# KiCad board cm4-printing-deck.kicad_pcb (continued)
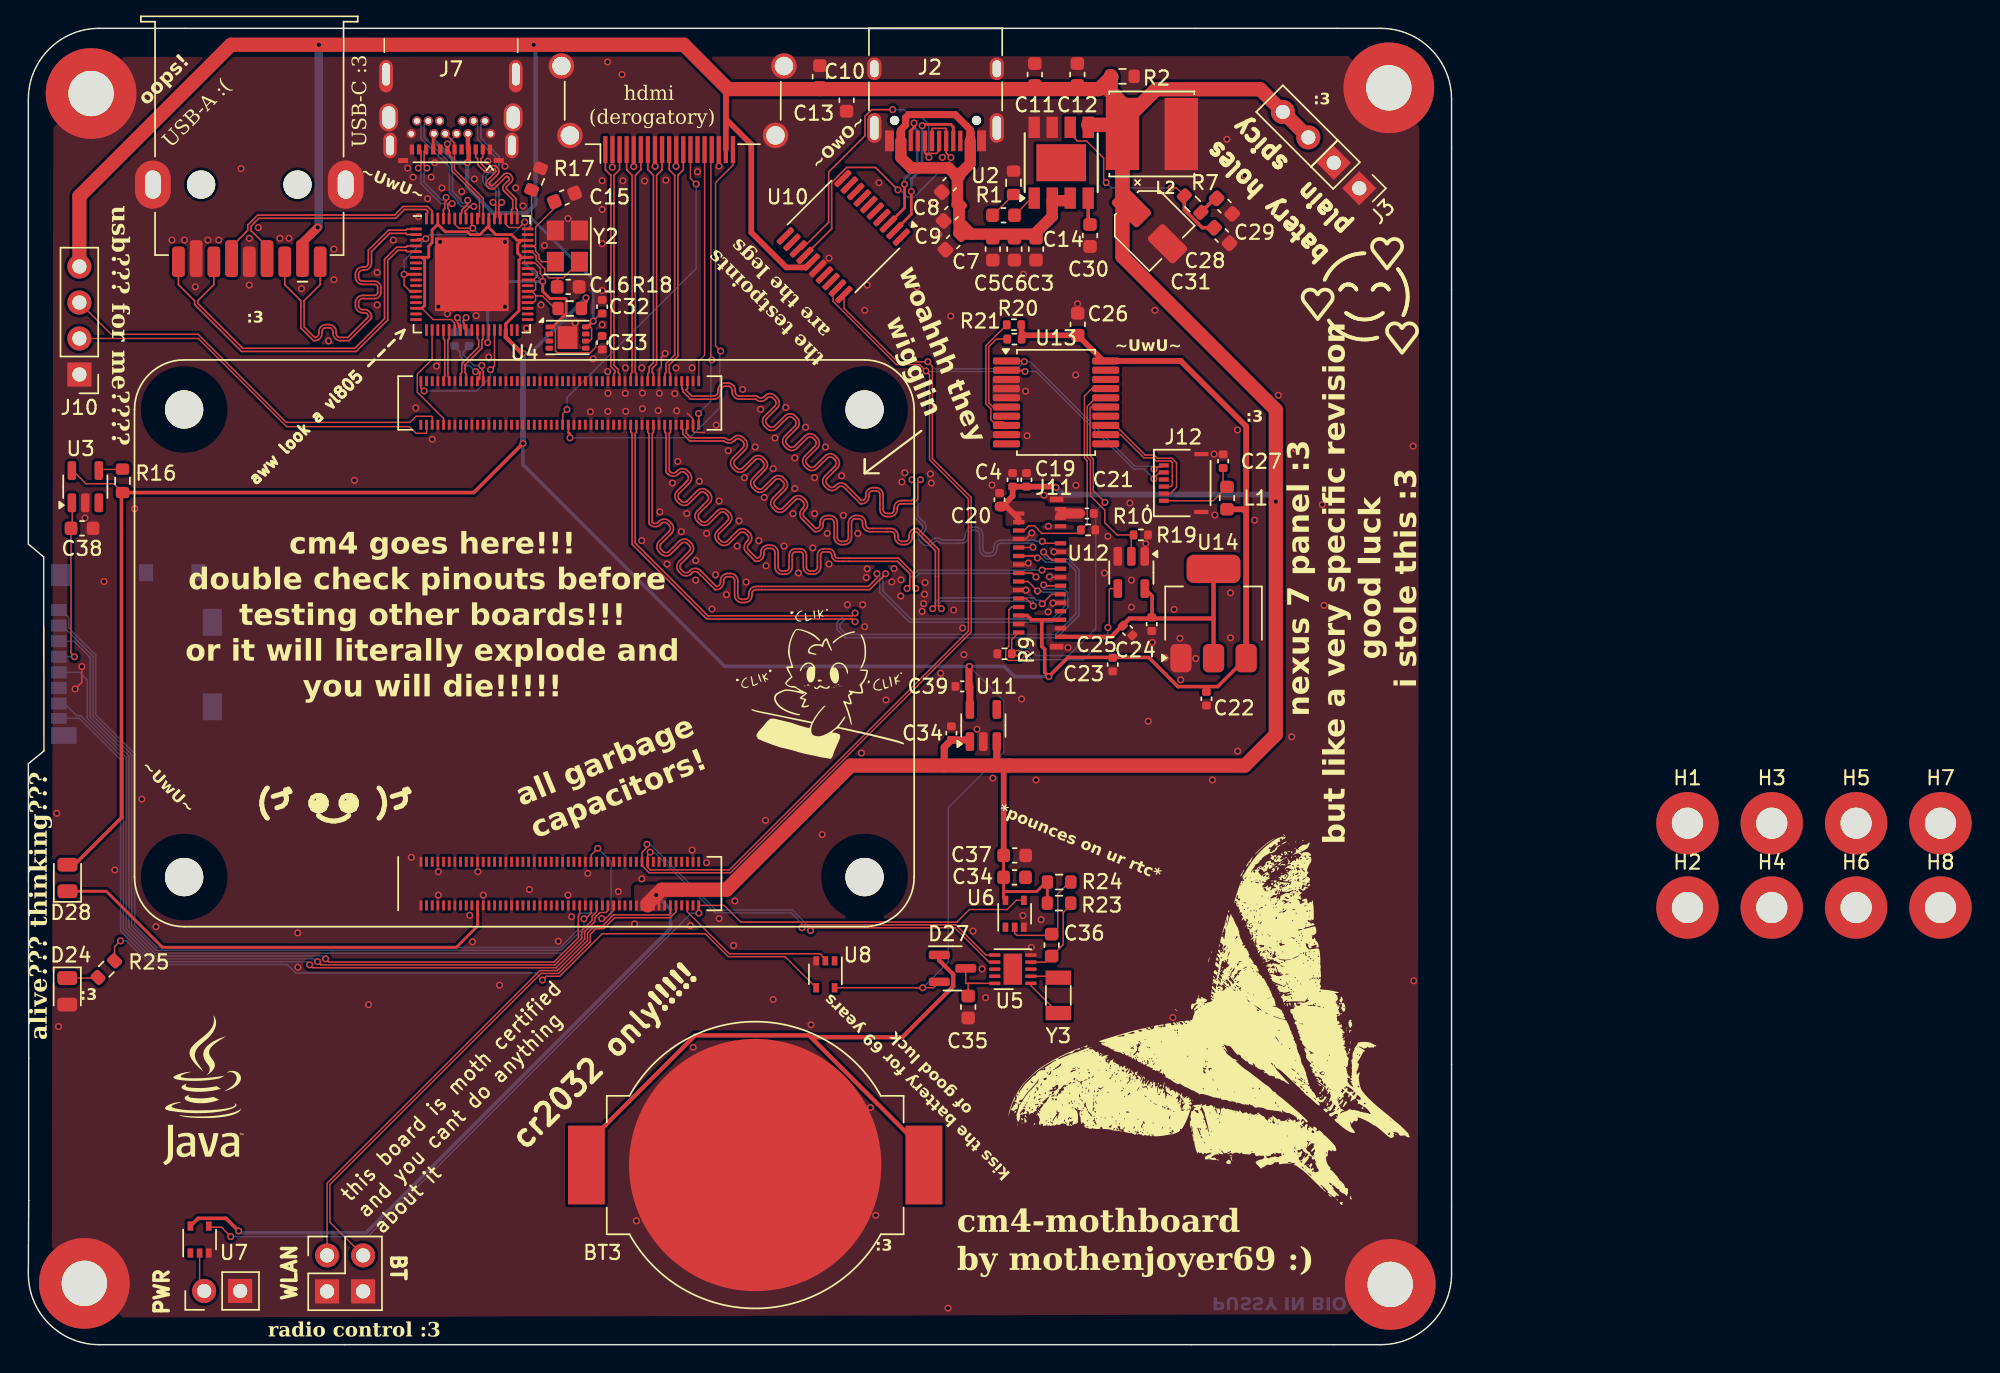
[diagram p0: board, top side]
## Nets
1.05v: C33.2 U4.1 U9.3 U9.9 U9.12 U9.29 U9.45 U9.54 U9.60 U9.63
+1V8: C24.2 C25.2 J11.31 U12.5 U14.2
+3V3: C22.2 C23.2 C26.2 C39.1 D24.2 D27.2 J11.26 J11.27 L1.2 R16.2 R18.1 R20.1 R21.1 U3.5 U8.5 U9.6 U9.15 U9.23 U9.32 U9.46 U9.49 U9.57 U9.66 U11.5 U13.20 U14.3
+5V: C4.2 C10.1 C11.1 C12.1 C13.1 C19.2 C20.2 C21.2 C31.1 C32.2 C34.1 C34#2.1 C37.2 J3.3 J3.4 J6.18 J7.A4 J7.A9 J7.B4 J7.B9 J8.1 J10.4 J11.1 J11.2 J11.3 J11.4 L2.2 R2.2 R23.1 R24.1 U1.77 U1.79 U1.81 U1.83 U1.85 U1.87 U2.5 U4.6 U4.8 U6.5 U7.5 U10.15 U11.1 U11.3
GND: BT3.2 C3.2 C4.1 C5.2 C6.2 C7.2 C8.2 C9.2 C10.2 C11.2 C12.2 C13.2 C15.1 C16.1 C19.1 C20.1 C21.1 C22.1 C23.1 C24.1 C25.1 C26.1 C27.1 C28.2 C29.2 C30.2 C31.2 C32.1 C33.1 C34#2.2 C35.1 C37.1 C38.1 C39.2 D28.2 J1.6 J1.9 J2.A1 J2.A12 J2.B1 J2.B12 J2.S1 J3.1 J3.2 J6.2 J6.5 J6.8 J6.11 J6.17 J6.SH J7.A1 J7.A12 J7.B1 J7.B12 J7.S1 J8.4 J8.7 J8.10 J10.1 J11.5 J11.8 J11.11 J11.14 J11.17 J11.20 J11.23 J11.28 J11.29 J11.SH J12.4 J12.S1 J12.S2 L2.1 R1.2 R2.1 R9.1 R10.2 R17.1 R19.2 REF**.1 REF**#2.1 REF**#3.1 REF**#4.1 SW20.2 SW62.3 SW62.4 U1.1 U1.2 U1.7 U1.8 U1.13 U1.14 U1.22 U1.23 U1.32 U1.33 U1.42 U1.43 U1.52 U1.53 U1.59 U1.60 U1.65 U1.66 U1.71 U1.74 U1.98 U1.107 U1.108 U1.113 U1.114 U1.119 U1.120 U1.125 U1.126 U1.131 U1.132 U1.137 U1.138 U1.144 U1.150 U1.155 U1.156 U1.161 U1.162 U1.167 U1.168 U1.173 U1.174 U1.179 U1.180 U1.185 U1.186 U1.191 U1.192 U1.197 U1.198 U2.7 U2.8 U3.2 U4.5 U4.9 U5.5 U6.3 U7.3 U8.3 U9.69 U10.16 U11.2 U12.1 U12.3 U13.3 U13.4 U13.5 U13.9 U14.1 Y2.2 Y2.3
VBUS: C3.1 C5.1 C6.1 C7.1 C8.1 C9.1 J2.A4 J2.A9 J2.B4 J2.B9 U2.2 U2.3
BL_CNTRL: J11.6 R10.1 U13.17
BT_OFF: SW62.2 U1.91
CC1: J2.A5 U10.2
CC2: J2.B5 U10.3
CH32_USB_N: J2.A7 J2.B7 U10.14
CH32_USB_P: J2.A6 J2.B6 U10.13
EXP_INT: R21.2 U13.8
EXP_P2: U13.14
GLOBAL_EN: U1.99 U6.4 U7.4
HDMI_CEC: J6.13 U1.151
HDMI_CLK_N: J6.12 U1.190
HDMI_CLK_P: J6.10 U1.188
HDMI_HOTPLUG: J6.19 U1.153
HDMI_SCL: J6.15 U1.200
HDMI_SDA: J6.16 U1.199
HDMI_TX0_N: J6.9 U1.184
HDMI_TX0_P: J6.7 U1.182
HDMI_TX1_N: J6.6 U1.178
HDMI_TX1_P: J6.4 U1.176
HDMI_TX2_N: J6.3 U1.172
HDMI_TX2_P: J6.1 U1.170
LCD_PWR_EN: J11.30 R9.2 U13.15
LCD_RESET: R19.1 U12.2 U13.16
MIPI_0_N: J11.12 U1.175
MIPI_0_P: J11.13 U1.177
MIPI_1_N: J11.18 U1.181
MIPI_1_P: J11.19 U1.183
MIPI_2_N: J11.21 U1.193
MIPI_2_P: J11.22 U1.195
MIPI_3_N: J11.9 U1.194
MIPI_3_P: J11.10 U1.196
MIPI_CLK_N: J11.15 U1.187
MIPI_CLK_P: J11.16 U1.189
PE_CLK_N: U1.112 U9.22
PE_CLK_nREQ: U1.102 U9.30
PE_CLK_P: U1.110 U9.21
PE_nRST: U1.109 U9.19
PE_RX_C_N: C17.2 U9.25
PE_RX_C_P: C18.2 U9.24
PE_RX_N: C17.1 U1.124
PE_RX_P: C18.1 U1.122
PE_TX_N: U1.118 U9.28
PE_TX_P: U1.116 U9.27
PWR_LED: U1.95 U8.2
RTC_INT: C36.2 R23.2 U5.4
SCL: J12.6 U1.80 U5.7 U10.20 U13.1
SD_CLK: J1.5 U1.57
SD_CMD: J1.3 U1.62
SD_DAT0: J1.7 U1.63
SD_DAT1: J1.8 U1.67
SD_DAT2: J1.1 U1.69
SD_DAT3: J1.2 U1.61
SD_PWR: C38.2 J1.4 U3.1
SDA: J12.5 U1.82 U5.6 U10.19 U13.2
SSRX1+: J7.B11 U9.55
SSRX1-: J7.B10 U9.56
SSRX2+: J7.A11 U9.64
SSRX2-: J7.A10 U9.65
SSRX3+: J8.6 U9.4
SSRX3-: J8.5 U9.5
SSTX1+: J7.A2 U9.52
SSTX1-: J7.A3 U9.53
SSTX2+: J7.B2 U9.61
SSTX2-: J7.B3 U9.62
SSTX3+: J8.9 U9.1
SSTX3-: J8.8 U9.2
TOUCH_INT: J12.2 U13.13
TOUCH_RST: J12.3 U13.12
USB2D1+: J7.A6 J7.B6 U9.58
USB2D1-: J7.A7 J7.B7 U9.59
USB2D2+: J8.3 U9.67
USB2D2-: J8.2 U9.68
USB2D3+: U9.7
USB2D3-: U9.8
USB_N: J10.2 U1.103
USB_P: J10.3 U1.105
WLAN_OFF: SW62.1 U1.89
Net-(BT3-+): BT3.1 D27.1
Net-(C14-Pad1): C14.1 R1.1
Net-(C27-Pad2): C27.2 J12.1 L1.1
Net-(C29-Pad1): C29.1 R7.1
Net-(C36-Pad1): C36.1 R24.2 U6.2
Net-(D24-K): D24.1 U1.21
Net-(D28-K): D28.1 R25.1
Net-(J11-XRES): J11.24 U12.4
Net-(R25-Pad2): R25.2 U8.4
Net-(SW20-Pad1): SW20.1 U7.2
Net-(U2-BST): C14.2 U2.1
Net-(U2-COMP): C28.1 R7.2 U2.6
Net-(U2-SS): C30.1 U2.4
Net-(U3-EN): R16.1 U3.4
Net-(U5-OSCI): U5.1 Y3.2
Net-(U5-OSCO): U5.2 Y3.1
Net-(U5-VDD): C35.2 D27.3 U5.10
Net-(U9-TESTEN): R17.2 U9.51
Net-(U9-XI): C16.2 U9.47 Y2.1
Net-(U9-XO): C15.2 U9.48 Y2.4
Net-(U9-~{USBHPE1}): R18.2 U9.38 U9.40 U9.42 U9.44
Net-(U13-*RESET): R20.2 U13.6

Pads without a net: C34 2; H1 1; H2 1; H3 1; H4 1; H5 1; H6 1; H7 1; H8 1; J1 10 11; J2 A8 B8; J6 14; J7 A5 A8 B5 B8; J11 25; U1 3 4 5 6 9 10 11 12 15 16 17 18 19 20 24 25 26 27 28 29 30 31 34 35 36 37 38 39 40 41 44 45 46 47 48 49 50 51 54 55 56 58 64 68 70 72 73 75 76 78 84 86 88 90 92 93 94 96 97 100 101 104 106 111 115 117 121 123 127 128 129 130 133 134 135 136 139 140 141 142 143 145 146 147 148 149 152 154 157 158 159 160 163 164 165 166 169 171; U2 9; U3 3; U4 2 3 4 7; U5 3 8 9 11; U6 1; U7 1; U8 1; U9 10 11 13 14 16 17 18 20 26 31 33 34 35 36 37 39 41 43 50; U10 1 4 5 6 7 8 9 10 11 12 17 18; U11 4; U13 7 10 11 18 19

## Via types
v1: diameter 0.5, hole 0.3, Top to Bottom, 360 vias

## Routing (per net, layer and track width the routed paths; a pad name or vN(x,y) marks a point on that pad's centre or on a via; arc(x,y) is an arc through that point)
1.05v: length 44.9
  Top w0.1: v1(35.02,79.22) 35.01,79.22 34.63,78.84 33.91,78.84 33.68,79.07 U9.54 ; v1(31.35,78.79) 30.36,78.79 30.08,79.07 U9.63 ; 37.01,71.84 37.19,71.67 37.19,70.13 37.31,70 39.64,70 40.02,70.38 40.02,70.74 C33.2 ; 26.93,74.34 26.51,74.77 v1(26.51,75.54) ; U9.29 32.48,70.8 v1(32.4,70.72) ; U9.3 27.45,78.05 v1(28.03,78.05) ; v1(36.29,75.03) 36.29,75.42 36.11,75.6 36.11,75.98 35.74,76.34 U9.45 ; U4.1 37.01,71.83 ; 31.28,78.91 U9.60
  Top w0.2: 26.93,74.34 U9.12 ; v1(26.51,75.54) U9.9 ; 37.01,71.83 37.01,71.84 37.94,72.77 37.94,73.76 37.87,73.83 36.8,73.83 36.29,74.34 v1(36.29,75.03)
  Bottom w0.1: 35.02,76.3 v1(35.02,79.22) 34.13,78.34 31.81,78.34 v1(31.35,78.79) 30.89,78.34 28.32,78.34 v1(28.03,78.05) 26.51,76.53 v1(26.51,75.54)
  Bottom w0.2: 35.02,76.3 v1(36.29,75.03) 33.62,75.03 32.4,73.82 v1(32.4,70.72)
+1V8: length 24.2
  Top w0.25: 78.35,51.23 78.98,51.23 79.28,51.53 79.28,52.84 U12.5 ; 83.61,51.25 U14.2
  Top w0.3: U14.2 U14.2 ; J11.31 76.39,49.96 77.68,51.25 83.61,51.25
+3V3: length 248.2
  Top w0.1: U9.66 28.88,79.07 ; 6.73,60.12 6.66,60.12 6.03,60.76 4.06,60.76 3.15,61.67 ; 56.88,25.19 62.58,25.19 ; 62.58,25.19 63.84,25.19 D27.2 ; 62.58,25.19 v1(63.08,25.19) ; U9.23 30.06,71.63 30.06,72.11 29.83,72.35 28.55,72.35 27.76,73.14 U9.15 ; 27.76,76.74 U9.6 27.33,76.74 27.27,76.69 ; 6.57,60.07 R16.2 ; 32.48,78.98 U9.57 ; U9.49 34.81,77.94
  Top w0.2: 32.48,78.98 31.85,78.34 31.16,78.34 30.96,78.54 29.41,78.54 28.88,79.07 28.48,78.67 28.48,77.77 28.25,77.54 28.25,76.78 28.22,76.74 27.76,76.74 27.96,76.54 27.96,73.34 27.76,73.14 ; U9.57 32.48,78.84 32.98,78.34 34.08,78.34 34.48,77.94 U9.49 ; 34.81,76.74 34.61,76.54 34.61,72.97 33.68,72.05 U9.32 ; 34.81,76.74 U9.46 ; 34.81,76.74 34.51,77.04 34.51,77.64 34.81,77.94 ; 70.07,71.95 R21.1
  Top w0.25: D24.2 3.26,33.88 6.57,37.19 6.57,60.07 ; R16.2 31.43,60.14 v1(34.89,63.6) ; 71.53,51.16 70.76,51.16 70.46,51.46 J11.26 ; 71.53,51.16 J11.27 ; 71.53,51.16 71.49,51.12 71.49,49.28 71.7,49.07 71.7,47.44 v1(71.99,47.15) 73.34,48.5 79.04,48.5 81.09,46.44 83.9,46.44 U14.3 ; v1(39.34,73.89) 39.34,73.58 38.89,73.13
  Top w0.3: v1(34.89,69.95) 34.83,69.95 33.68,71.1 U9.32
  Top w0.4: 70.07,71.41 70.07,71.95 ; 70.07,71.41 R20.1 ; 70.07,71.41 70.24,71.24 C26.2 75.84,69.42 U13.20 81.3,69.42 85.91,64.81 85.91,58.73 ; 85.91,58.73 85.68,58.96 L1.2 ; 85.91,58.73 U14.3
  Top w0.5: U11.5 66.42,46.4 C39.1 66.36,47.84 v1(66.39,47.87)
  Bottom w0.1: v1(66.39,47.87) 68.8,45.45 68.8,41.8 64.9,37.9 64.9,27 v1(63.08,25.19)
  Bottom w0.25: v1(71.99,47.15) 69.57,47.15 68.86,47.87 v1(66.39,47.87) 49.13,47.87 34.89,62.11 v1(34.89,63.6) ; v1(34.89,69.95) 35.41,69.95 v1(39.34,73.89)
  Bottom w0.4: v1(34.89,69.95) v1(34.89,63.6)
+5V: length 374.5
  Top w0.1: 68.88,31.98 68.8,31.9 ; U4.8 39.64,71.83 39.74,71.73 39.74,70.99 39.57,70.83 U4.6 ; 68.8,31.5 U6.5 ; C32.2 40.38,72.78 v1(39.84,72.24) ; 71.88,32.72 71.88,32.72 ; 68.8,34.52 C37.2
  Top w0.2: J11.3 J11.1 ; 68.88,31.98 71.14,31.98 71.88,32.72 ; J7.A9 28.56,85.41 J7.B4 ; 68.8,34.52 C34.1 68.8,31.5 ; v1(39.84,72.24) 39.43,71.83 U4.8 ; R23.1 71.88,32.72
  Top w0.25: v1(14.83,8.03) 13.93,8.92 11.98,8.92 U7.5 ; 71.88,31.17 R23.1 ; 49.21,88.45 49.37,88.61
  Top w0.3: v1(30.95,83.42) 31.06,83.52 J7.A4 31.01,84.4 31.01,85.46
  Top w0.4: 68.7,59.15 69.44,59.89 C19.2 C4.2 72.44,60.56 v1(72.5,60.5) ; C37.2 68.81,40.5 69.18,40.87 ; 69,59.15 69.87,58.28 J11.4 ; U10.15 54.85,76.03 53.47,76.03 51,78.5 51,84.71 49.21,86.5 49.21,88.45 J6.18
  Top w0.5: 68.17,40.87 68.32,41.03 U11.3 ; 64.61,40.87 64.61,42.17 65.12,42.68 66.3,42.68 U11.1
  Top w0.6: J8.1 19.34,77.77 v1(20.41,78.84)
  Top w0.7: C21.2 72.94,58.66 72.81,58.54 ; C20.2 68.7,59.15
  Top w1: L2.2 77.18,76.8 88,65.98 v1(88,59.5) 88,43.05 85.82,40.87 58.01,40.87 49.25,32.11 44.67,32.11 v1(44.29,31.73) 43.69,31.13 U1.81 ; L2.2 77.18,87.59 76.36,88.42 R2.2 76.39,89.48 76.39,89.46 75.54,88.61 74.9,88.61 ; L2.2 77.18,86.22 79.56,88.6 86.9,88.6 J3.4 J3.3 ; L2.2 76.53,86.1 74.77,86.1 ; L2.2 77.18,80.88 C31.1 ; J10.4 3.6,81.05 14.29,91.74 46.24,91.74 49.37,88.61 74.9,88.61 ; 74.9,88.61 75.45,88.61
  Bottom w0.2: 35.15,79.87 35.15,79.84 39.2,75.8 39.21,75.8 39.84,75.16 v1(39.84,72.24)
  Bottom w0.25: v1(14.83,8.03) 14.95,7.9 23.83,7.9 45.31,29.38 45.31,30.71 v1(44.29,31.73)
  Bottom w0.3: J7.B4 28.61,84.98 30.18,83.42 v1(30.95,83.42) 30.95,81.71 32.8,79.87 35.15,79.87 35.78,80.5 35.78,91.67 35.65,91.8 v1(35.65,91.74)
  Bottom w0.4: v1(72.5,60.5) 73,60 87.5,60 v1(88,59.5)
  Bottom w0.6: v1(20.5,91.74) 20.49,91.73 20.49,78.92 v1(20.41,78.84)
GND: length 11.4
  Top w0.1: J11.11 72.36,55.96 v1(72.35,55.96) ; v1(3.3,46.28) 3.78,46.75 v1(3.78,47.86) ; v1(70.54,55.15) 70.45,55.06 J11.14 ; v1(70.78,57.29) 70.35,56.86 J11.8 ; J11.17 72.07,54.16 v1(72.03,54.2) ; J11.20 70.36,53.26 v1(70.37,53.25) ; J11.23 72.3,52.36 v1(72.28,52.34) ; 46.49,65.73 46.89,65.33 U1.197 46.89,64.47 46.98,64.38 47.68,64.38 ; v1(44.92,69.95) 44.65,69.68 44.65,68.98 44.5,68.83 44.5,68
  In1.Cu w0.1: 21.35,81.79 21.35,80.73
  vias: v1(2,37.5) v1(2.12,22.46) v1(4,58.34) v1(5.34,53.86) v1(6.1,33.5) v1(7.5,59) v1(8,38.5) v1(9,29.5) v1(10.13,77.95) v1(11.01,77.95) v1(11.78,74.65) v1(12.67,77.95) v1(13.43,77.95) v1(15,83) v1(15.59,78.08) v1(15.59,74.78) v1(16.22,78.84) v1(17.75,78.08) v1(18.38,78.08) v1(19,29.06) v1(19.02,26.63) v1(19.27,74.53) v1(21.18,70.84) v1(21.56,77.32) v1(21.56,75.16) v1(23,61) v1(24,24) v1(24.6,75.67) v1(24.6,73.38) v1(25.75,77.95) v1(26.76,83.03) v1(27.02,34.39) v1(27.14,82.4) v1(27.33,66.11) v1(27.52,79.61) v1(28.16,80.88) v1(28.41,82.4) v1(28.49,63.89) v1(28.67,83.42) v1(28.8,69.06) v1(28.92,73.26) v1(28.92,33.38) v1(28.92,31.73) v1(29.05,77.83) v1(29.18,81.64) v1(29.56,72.75) v1(30.57,81.38) v1(31.14,30.3) v1(31.33,28.43) v1(31.46,82.27) v1(31.59,72.62) v1(31.72,33.38) v1(32.1,31.73) v1(32.41,83.51) v1(32.48,69.7) v1(33.24,25.38) v1(33.62,83.16) v1(33.62,77.83) v1(33.62,73.26) v1(34.38,81.64) v1(34.89,80.37) v1(35.14,71.73) v1(35.35,32.12) v1(36.16,73.38) v1(36.42,77.57) v1(37.39,28.47) v1(38.07,79.48) v1(38.07,31.73) v1(38.32,30.2) v1(38.57,72.11) v1(39.46,33.25) v1(39.65,65.84) v1(39.84,69.57) v1(40.48,82.15) v1(40.48,80.11) v1(40.48,77.7) v1(40.48,74.4) v1(40.48,71.99) v1(40.86,90.53) v1(40.86,68.68) v1(40.89,67.15) v1(40.88,65.87) v1(41.2,83.1) v1(41.62,31.98) v1(41.88,89.64) v1(41.94,82.15) v1(42.13,68.94) v1(42.11,67.14) v1(42.14,65.87) v1(42.71,83.15) v1(42.76,29.69) v1(42.89,8.74) v1(43.27,68.94) v1(43.32,67.16) v1(43.32,66.06) v1(43.27,56.75) v1(43.27,32.87) v1(43.47,82.13) v1(44.22,83.17) v1(44.43,65.92) v1(44.52,67.15) v1(44.54,58.78) v1(44.97,82.18) v1(45.05,55.09) v1(45.43,60.81) v1(45.6,67.12) v1(45.69,83.17) v1(45.69,68.94) v1(45.73,65.91) v1(45.81,62.33) v1(46.07,57.38) v1(46.45,58.65) v1(46.7,29.57) v1(46.83,68.94) v1(46.83,34.9) v1(46.9,20.98) v1(47.08,55.35) v1(47.08,53.95) v1(47.21,82.78) v1(47.34,60.94) v1(47.85,57.25) v1(47.85,34.01) v1(48.23,51.92) v1(48.53,64.9) v1(48.48,54.33) v1(48.72,83.18) v1(48.73,59.54) v1(48.73,30.08) v1(49.24,52.94) v1(49.37,63.1) v1(49.84,31.32) v1(49.75,28.17) v1(50,56.36) v1(50.13,58.14) v1(50.38,67.41) v1(50.51,61.19) v1(50.64,53.82) v1(51.27,63.35) v1(51.53,56.75) v1(51.65,66.02) v1(51.91,59.79) v1(52.04,54.97) v1(52,37) v1(52.54,61.83) v1(52.54,24.36) v1(52.67,63.98) v1(53.31,56.36) v1(53.43,66.14) v1(53.94,58.65) v1(54.07,62.59) v1(54.07,60.43) v1(54.32,54.46) v1(54.83,64.75) v1(55.21,22.58) v1(55.34,56.24) v1(55.46,61.19) v1(55.46,58.65) v1(56,36) v1(56.23,63.35) v1(56.35,57.25) v1(56.48,76.69) v1(56.48,55.09) v1(57.37,61.32) v1(57.5,58.52) v1(57.78,52.22) v1(58.51,57.25) v1(58.77,41.76) v1(58.86,52.22) v1(59,73) v1(59,50.67) v1(59.11,54.13) v1(59.18,74.78) v1(59.17,54.76) v1(59.4,16.74) v1(59.78,9.12) v1(60,82) v1(60.5,45.5) v1(60.91,53.83) v1(61.07,54.78) v1(61.54,52.83) v1(61.62,60.89) v1(61.56,53.98) v1(61.83,61.54) v1(62.67,74.65) v1(63.15,52.3) v1(63.05,51.75) v1(63.22,52.96) v1(63.26,53.79) v1(63.63,61.45) v1(63.7,60.81) v1(63.97,80.5) v1(64.23,78.34) v1(64.36,47.39) v1(64.48,83.8) v1(64.88,2.57) v1(65.07,72.59) v1(65.27,51.85) v1(65.91,50.58) v1(66,48.7) v1(66.64,29.19) v1(66.92,43.43) v1(67.28,26.52) v1(67.53,24.49) v1(67.98,60.67) v1(68.04,39.98) v1(70.07,45.57) v1(70.2,75.54) v1(70.16,30.28) v1(70.35,67.29) v1(70.46,64.15) v1(70.76,28.04) v1(71.09,39.85) v1(71.44,30) v1(71.65,59.95) v1(71.85,16.61) v1(71.95,57.76) v1(71.94,51.72) v1(73.34,49.2) v1(73.88,68.43) v1(73.9,60.65) v1(74.02,73.46) v1(75.91,54.46) v1(76.15,57.05) v1(77.7,59.4) v1(77.82,53.95) v1(77.82,52.05) v1(78.83,56.53) v1(79,44) v1(79.29,49.56) v1(79.47,73) v1(80.19,48.47) v1(80.74,23.09) v1(80.83,51.89) v1(81.24,49.85) v1(81.29,46.92) v1(82.35,48.43) v1(83.53,39.85) v1(83.65,62.85) v1(83.7,58.55) v1(84.55,85.07) v1(84.8,53.06) v1(84.8,49.89) v1(85.3,64.55) v1(85.31,41.89) v1(85.82,82.53) v1(86.5,58.19) v1(88.18,67) v1(89.12,42.9) v1(89.37,63.22) v1(89.5,48.11) v1(91.28,59.29) v1(91.41,52.17) v1(97.69,63.41) v1(97.73,25.68)
VBUS: length 34.9
  Top w0.3: 69.69,78.22 70.83,78.22 71.97,79.36
  Top w0.5: J2.A9 61.55,85.74 61.88,86.08 61.88,86.59 62.1,86.81 65.38,86.81 66.45,85.74 J2.A4
  Top w0.8: C8.1 65.54,80.54 C9.1 ; C8.1 66.45,83.35 J2.A4 ; C8.1 64.93,83.05 62.28,83.05 61.55,83.78 J2.A9 ; C9.1 65.67,79.22 66.51,78.38 ; C9.1 65.67,78.5 C7.1 66.51,78.38 ; 73.5,80.74 72.23,80.74 72.23,79.62 70.99,78.38 66.51,78.38
BL_CNTRL: length 16.3
  Top w0.1: U13.17 75.02,67.47 74.5,66.95 74.5,62.57 74.7,62.37 74.7,57.95 R10.1 74.01,57.26 71.49,57.26 71.22,57.53 ; 71.23,57.54 70.99,57.79 70.57,57.79 70.25,57.46 J11.6
BT_OFF: length 39.1
  Top w0.1: SW62.2 21.27,8.64 21.27,11.31 36.16,26.2 37.4,26.2 39.65,28.44 39.65,28.96 40.05,29.36 40.59,29.36 41.36,30.13 45.26,30.13 45.69,30.56 U1.91
CC1: length 11.5
  Top w0.2: 63.15,86.12 65.06,86.12 65.25,85.93 J2.A5 ; U10.2 62.29,79.78 v1(62.29,81.38)
  Top w0.25: v1(63.05,86.03) 63.15,86.12
  Bottom w0.2: v1(63.05,86.03) 63.05,83.02 62.29,82.25 v1(62.29,81.38)
CC2: length 9.4
  Top w0.2: v1(61.81,81.89) 61.81,80.23 U10.3 ; J2.B5 62.25,85.67 62.49,85.91 v1(62.49,86.21)
  Bottom w0.2: 62.49,85.92 62.7,85.71 62.7,83.16 61.81,82.27 v1(61.81,81.89)
  Bottom w0.25: 62.49,85.92 v1(62.49,86.21)
CH32_USB_N: length 20.9
  Top w0.115: U10.14 56.67,78.76 56.67,82.03 57.73,83.08 59.76,83.08 v1(61.34,81.5) ; v1(65.08,83.79) 64.75,84.12 J2.B7 64.75,85.8 64.71,85.84 63.79,85.84 63.75,85.8 J2.A7
  Bottom w0.115: v1(61.34,81.5) 61.5,81.5 62.02,80.98 62.46,80.98 65.08,83.6 v1(65.08,83.79)
CH32_USB_P: length 22.8
  Top w0.115: v1(60.97,87.16) 59.49,87.16 59.02,86.69 59.02,85.33 56.46,82.76 56.46,79.22 54.57,77.33 U10.13 ; v1(63.53,83.8) 63.25,84.08 J2.B6 63.25,84.11 63.29,84.07 64.06,84.07 64.25,84.27 J2.A6
  Bottom w0.115: v1(63.53,83.8) 63.53,86.13 63.04,86.62 62.32,86.62 61.78,87.16 v1(60.97,87.16)
EXP_INT: length 8.7
  Top w0.1: U13.8 68.75,65.12 68.06,65.12 67.9,65.28 67.9,66.04 67.55,66.39 67.55,70.51 R21.2
GLOBAL_EN: length 69
  Top w0.1: v1(47.3,30.46) 47.3,31 ; U1.99 49.08,31 50.25,29.82 65.5,29.82 66.39,30.71 69.05,30.71 69.7,31.36 U6.4 ; v1(14.28,7.62) 13.61,8.29 12.65,8.29
  Bottom w0.1: v1(14.28,7.62) 23.94,7.62 46.77,30.46 v1(47.3,30.46)
HDMI_CEC: length 23.5
  Top w0.1: 37.7,64.92 37.7,65.7 v1(38,66) ; J6.13 46.71,82.31 v1(47.11,81.91)
  Bottom w0.1: v1(47.11,81.91) 47.11,75.95 38,66.84 v1(38,66)
HDMI_CLK_N: length 16.8
  Top w0.115: J6.12 46.21,82.92 45.82,82.53 45.82,69.75 45.21,69.14 45.21,68.61 45.3,68.53 45.3,68
HDMI_CLK_P: length 16.8
  Top w0.115: 44.9,68 44.9,68.53 44.99,68.61 44.99,69.24 45.59,69.84 45.59,82.53 45.21,82.92 J6.10
HDMI_HOTPLUG: length 31
  Top w0.1: v1(48.84,70.12) 48.48,70.48 48.48,82.02 49.71,83.24 J6.19 ; 38.1,64.37 38.1,64.92
  Top w0.2: 38.2,64.27 38.1,64.37
  Bottom w0.1: v1(48.84,70.12) 48.77,70.05 48.77,66.11 46.66,64 v1(38.21,64)
HDMI_SCL: length 16.5
  Top w0.075: 47.3,68 47.3,69.42 47.71,69.83
  Top w0.1: J6.15 47.71,69.83
HDMI_SDA: length 19.9
  Top w0.1: v1(48.22,69.5) 48.15,69.57 48.15,84.28 J6.16 ; 47.3,64.92 47.3,65.7 v1(47.28,65.72)
  Bottom w0.1: v1(47.28,65.72) 48.15,66.59 48.15,69.43 v1(48.22,69.5)
HDMI_TX0_N: length 16.7
  Top w0.115: 44.1,68 44.1,68.53 44.01,68.61 44.01,68.9 44.32,69.21 44.32,82.53 44.71,82.92 J6.9
HDMI_TX0_P: length 16.7
  Top w0.115: J6.7 43.71,82.92 44.09,82.53 44.09,69.3 43.79,69 43.79,68.61 43.7,68.53 43.7,68
HDMI_TX1_N: length 16.5
  Top w0.115: 42.9,68 42.9,68.53 42.81,68.61 42.81,69.09 42.82,69.09 42.82,82.53 43.21,82.92 J6.6
HDMI_TX1_P: length 16.5
  Top w0.115: 42.5,68 42.5,68.53 42.59,68.61 42.59,69.17 42.59,69.18 42.59,82.53 42.21,82.92 J6.4
HDMI_TX2_N: length 16.8
  Top w0.115: 41.7,68 41.7,68.53 41.61,68.61 41.61,68.83 41.32,69.12 41.32,82.53 41.71,82.92 J6.3
  Top w0.2: 41.66,83.69 41.73,83.77
HDMI_TX2_P: length 16.7
  Top w0.115: J6.1 40.71,82.92 41.09,82.53 41.09,69.03 41.39,68.73 41.39,68.61 41.3,68.53 41.3,68
LCD_PWR_EN: length 27
  Top w0.1: v1(69.8,48.8) 69.41,48.8 R9.2 69.37,49.76 J11.30 ; v1(75.95,59.45) 75.13,60.27 75.13,62.5 74.9,62.73 74.9,66.1 74.98,66.17 U13.15 76.83,66.17
  Bottom w0.1: v1(75.95,59.45) 75.3,58.8 75.3,50.55 73.38,48.63 71.1,48.63 70.59,49.14 70.14,49.14 v1(69.8,48.8)
LCD_RESET: length 14.2
  Top w0.1: U13.16 75.31,66.83 74.7,66.22 74.7,62.65 74.93,62.42 74.93,59.91 75.93,58.9 75.93,58.02 76.8,57.15 R19.1 77.81,56.99 U12.2
MIPI_0_N: length 53
  Top w0.115: J11.12 69.87,55.66 71.04,55.66 v1(71.18,55.52) ; v1(58.32,51.02) 58.13,51.21 47.86,51.21 42.59,56.48 42.59,64.31 42.5,64.39 42.5,64.92
  Bottom w0.115: v1(71.18,55.52) 71.46,55.52 71.76,55.22 73.28,55.22 73.89,54.61 73.89,51.56 72.45,50.12 57.72,50.12 57.26,50.58 57.26,50.85 57.62,51.21 58.13,51.21 v1(58.32,51.02)
MIPI_0_P: length 54
  Top w0.115: v1(58.32,51.63) 58.13,51.44 47.95,51.44 42.81,56.58 42.81,64.31 42.9,64.39 42.9,64.92 ; J11.13 72.21,55.36 v1(71.61,55.95)
  Bottom w0.115: v1(71.61,55.95) 71.61,55.68 71.85,55.44 73.38,55.44 74.11,54.71 74.11,51.46 72.55,49.9 57.62,49.9 57.03,50.49 57.03,50.94 57.53,51.44 58.13,51.44 v1(58.32,51.63)
MIPI_1_N: length 54.1
  Top w0.1: v1(71.19,53.19) 70.52,53.86 J11.18
  Top w0.115: 43.7,64.92 43.7,64.39 43.79,64.31 43.79,57.94 43.85,57.88 arc(44.22,57.73) 44.58,57.88 44.66,57.96 arc(44.86,58.04) 45.06,57.96 45.21,57.82 arc(45.29,57.61) 45.21,57.41 44.48,56.68 arc(44.33,56.32) 44.48,55.96 44.62,55.82 arc(44.98,55.67) 45.35,55.82 46.07,56.54 arc(46.28,56.63) 46.48,56.54 46.62,56.4 arc(46.7,56.2) 46.62,55.99 45.9,55.27 arc(45.75,54.91) 45.9,54.55 46.04,54.4 arc(46.4,54.25) 46.76,54.4 46.84,54.48 arc(47.04,54.57) 47.25,54.48 48.44,53.29 48.54,53.29 arc(48.9,53.44) 49.05,53.8 49.05,53.91 arc(49.13,54.12) 49.34,54.2 49.54,54.2 arc(49.74,54.12) 49.82,53.91 49.82,52.89 arc(49.97,52.53) 50.34,52.38 50.54,52.38 arc(50.9,52.53) 51.05,52.89 51.05,53 arc(51.13,53.2) 51.34,53.29 59.35,53.29 60.02,53.95 60.05,53.95 60.32,54.22 60.32,54.26 v1(60.48,54.41)
  Bottom w0.115: v1(71.19,53.19) 71.47,53.19 71.56,53.09 73,53.09 73.11,52.98 73.11,52.11 72.21,51.21 62.25,51.21 60.28,53.18 60.28,54.22 v1(60.48,54.41)
MIPI_1_P: length 53.7
  Top w0.115: v1(59.87,54.41) 59.87,54.12 59.26,53.51 51.34,53.51 arc(50.97,53.36) 50.82,53 50.82,52.89 arc(50.74,52.68) 50.54,52.6 50.34,52.6 arc(50.13,52.68) 50.05,52.89 50.05,53.91 arc(49.9,54.27) 49.54,54.43 49.34,54.43 arc(48.97,54.27) 48.82,53.91 48.82,53.8 arc(48.74,53.6) 48.54,53.51 47.41,54.64 arc(47.04,54.79) 46.68,54.64 46.6,54.56 arc(46.4,54.48) 46.2,54.56 46.05,54.7 arc(45.97,54.91) 46.05,55.11 46.78,55.84 arc(46.93,56.2) 46.78,56.56 46.64,56.7 arc(46.28,56.85) 45.91,56.7 45.19,55.98 arc(44.98,55.89) 44.78,55.98 44.64,56.12 arc(44.56,56.32) 44.64,56.53 45.36,57.25 arc(45.51,57.61) 45.36,57.97 45.22,58.12 arc(44.86,58.27) 44.5,58.12 44.42,58.04 arc(44.22,57.95) 44.01,58.04 44.01,64.31 44.1,64.39 44.1,64.92 ; v1(71.62,53.62) 71.69,53.56 J11.19
  Bottom w0.115: v1(59.87,54.41) 60.06,54.22 60.06,53.08 62.15,50.99 72.31,50.99 73.33,52.01 73.33,53.08 73.09,53.32 71.66,53.32 71.62,53.35 v1(71.62,53.62)
MIPI_2_N: length 51.3
  Top w0.1: v1(71.52,52.29) 72.19,52.96 J11.21
  Top w0.115: 46.1,64.92 46.1,64.67 46.19,64.58 46.19,64.24 46.65,63.78 49.06,63.78 arc(49.43,63.63) 49.79,63.78 49.87,63.86 arc(50.07,63.94) 50.27,63.86 50.42,63.72 arc(50.5,63.51) 50.42,63.31 49.69,62.58 arc(49.54,62.22) 49.69,61.86 49.83,61.72 arc(50.19,61.57) 50.56,61.72 51.28,62.44 arc(51.49,62.53) 51.69,62.44 51.83,62.3 arc(51.91,62.1) 51.83,61.89 51.11,61.17 arc(50.96,60.81) 51.11,60.45 51.25,60.3 arc(51.61,60.15) 51.97,60.3 52.7,61.03 arc(52.9,61.11) 53.1,61.03 53.24,60.89 arc(53.33,60.68) 53.24,60.48 52.52,59.76 arc(52.37,59.39) 52.52,59.03 52.66,58.89 arc(53.02,58.74) 53.39,58.89 54.11,59.61 arc(54.31,59.7) 54.52,59.61 54.66,59.47 arc(54.74,59.27) 54.66,59.07 54.58,58.99 arc(54.43,58.62) 54.58,58.26 55.46,57.38 55.56,57.38 arc(55.92,57.53) 56.07,57.89 56.07,58 arc(56.15,58.21) 56.36,58.29 56.56,58.29 arc(56.76,58.21) 56.84,58 56.84,56.98 arc(56.99,56.62) 57.36,56.47 57.56,56.47 arc(57.92,56.62) 58.07,56.98 58.07,58 arc(58.15,58.21) 58.36,58.29 58.56,58.29 arc(58.76,58.21) 58.84,58 58.84,57.89 arc(58.99,57.53) 59.36,57.38 60.84,57.38 arc(61.05,57.29) 61.13,57.09 61.13,56.98 arc(61.28,56.62) 61.64,56.47 61.84,56.47 arc(62.21,56.62) 62.36,56.98 62.36,57.09 arc(62.44,57.29) 62.64,57.38 63.99,56.03 63.99,52.14 v1(63.8,51.94)
  Bottom w0.115: v1(71.52,52.29) 71.52,52.4 71.39,52.54 71.13,52.54 70.96,52.7 64.3,52.7 63.99,52.39 63.99,52.14 v1(63.8,51.94)
MIPI_2_P: length 50.1
  Top w0.1: v1(70.89,52.14) 70.37,52.66 J11.22
  Top w0.115: v1(64.4,51.94) 64.21,52.14 64.21,56.13 62.74,57.6 62.64,57.6 arc(62.28,57.45) 62.13,57.09 62.13,56.98 arc(62.05,56.77) 61.84,56.69 61.64,56.69 arc(61.44,56.77) 61.36,56.98 61.36,57.09 arc(61.21,57.45) 60.84,57.6 59.36,57.6 arc(59.15,57.69) 59.07,57.89 59.07,58 arc(58.92,58.36) 58.56,58.52 58.36,58.52 arc(57.99,58.36) 57.84,58 57.84,56.98 arc(57.76,56.77) 57.56,56.69 57.36,56.69 arc(57.15,56.77) 57.07,56.98 57.07,58 arc(56.92,58.36) 56.56,58.52 56.36,58.52 arc(55.99,58.36) 55.84,58 55.84,57.89 arc(55.76,57.69) 55.56,57.6 54.74,58.42 arc(54.65,58.62) 54.74,58.83 54.82,58.91 arc(54.97,59.27) 54.82,59.63 54.68,59.77 arc(54.31,59.92) 53.95,59.77 53.23,59.05 arc(53.02,58.96) 52.82,59.05 52.68,59.19 arc(52.59,59.39) 52.68,59.6 53.4,60.32 arc(53.55,60.68) 53.4,61.05 53.26,61.19 arc(52.9,61.34) 52.54,61.19 51.81,60.46 arc(51.61,60.38) 51.41,60.46 51.26,60.6 arc(51.18,60.81) 51.26,61.01 51.99,61.74 arc(52.14,62.1) 51.99,62.46 51.85,62.6 arc(51.49,62.75) 51.12,62.6 50.4,61.88 arc(50.19,61.79) 49.99,61.88 49.85,62.02 arc(49.77,62.22) 49.85,62.43 50.57,63.15 arc(50.72,63.51) 50.57,63.87 50.43,64.02 arc(50.07,64.17) 49.71,64.02 49.63,63.94 arc(49.43,63.85) 49.22,63.94 49.16,64 46.75,64 46.41,64.34 46.41,64.58 46.5,64.67 46.5,64.92
  Bottom w0.115: v1(70.89,52.14) 70.89,52.45 70.87,52.48 64.4,52.48 64.21,52.29 64.21,52.14 v1(64.4,51.94)
MIPI_3_N: length 54.7
  Top w0.1: v1(71.53,56.7) 71.67,56.56 J11.9
  Top w0.115: 46.1,68 46.1,67.47 46.19,67.39 46.19,67.24 46.7,66.73 48.36,66.73 arc(48.72,66.88) 48.87,67.24 48.87,67.35 arc(48.96,67.56) 49.16,67.64 49.36,67.64 arc(49.56,67.56) 49.65,67.35 49.65,67.24 arc(49.8,66.88) 50.16,66.73 51.31,66.73 arc(51.68,66.58) 52.04,66.73 52.12,66.81 arc(52.32,66.89) 52.52,66.81 52.67,66.67 arc(52.75,66.46) 52.67,66.26 51.94,65.53 arc(51.79,65.17) 51.94,64.81 52.08,64.67 arc(52.44,64.52) 52.81,64.67 53.53,65.39 arc(53.74,65.48) 53.94,65.39 54.08,65.25 arc(54.16,65.05) 54.08,64.84 53.36,64.12 arc(53.21,63.76) 53.36,63.4 53.5,63.25 arc(53.86,63.1) 54.22,63.25 54.95,63.98 arc(55.15,64.06) 55.35,63.98 55.49,63.84 arc(55.58,63.63) 55.49,63.43 54.77,62.71 arc(54.62,62.34) 54.77,61.98 54.91,61.84 arc(55.27,61.69) 55.64,61.84 56.36,62.56 arc(56.56,62.65) 56.77,62.56 56.91,62.42 arc(56.99,62.22) 56.91,62.02 56.18,61.29 arc(56.03,60.93) 56.18,60.57 56.33,60.43 arc(56.69,60.28) 57.05,60.43 57.13,60.5 arc(57.33,60.59) 57.54,60.5 58.69,59.35 58.79,59.35 arc(59.15,59.5) 59.3,59.86 59.3,59.97 arc(59.38,60.18) 59.59,60.26 59.79,60.26 arc(59.99,60.18) 60.07,59.97 60.07,58.95 arc(60.22,58.59) 60.59,58.44 60.79,58.44 arc(61.15,58.59) 61.3,58.95 61.3,59.06 arc(61.38,59.26) 61.59,59.35 62.42,59.35 62.75,59.68 62.75,60.85 v1(62.94,61.04)
  Bottom w0.115: v1(62.94,61.04) 62.75,60.85 62.75,58.48 63.17,58.06 arc(63.32,57.69) 63.17,57.33 63.09,57.25 arc(63.01,57.05) 63.09,56.84 63.24,56.7 arc(63.44,56.62) 63.64,56.7 63.72,56.78 arc(64.08,56.93) 64.45,56.78 65.82,56.78 arc(66.02,56.87) 66.1,57.07 66.1,57.18 arc(66.25,57.54) 66.62,57.69 66.82,57.69 arc(67.18,57.54) 67.33,57.18 67.33,56.16 arc(67.41,55.95) 67.62,55.87 67.82,55.87 arc(68.02,55.95) 68.1,56.16 68.1,56.27 arc(68.25,56.63) 68.62,56.78 70.94,56.78 70.99,56.74 71.06,56.74 71.1,56.7 v1(71.53,56.7)
MIPI_3_P: length 53.8
  Top w0.1: v1(70.87,56.28) 70.85,56.26 J11.10
  Top w0.115: v1(62.33,61.04) 62.52,60.85 62.52,59.77 62.32,59.57 61.59,59.57 arc(61.22,59.42) 61.07,59.06 61.07,58.95 arc(60.99,58.74) 60.79,58.66 60.59,58.66 arc(60.38,58.74) 60.3,58.95 60.3,59.97 arc(60.15,60.33) 59.79,60.48 59.59,60.48 arc(59.22,60.33) 59.07,59.97 59.07,59.86 arc(58.99,59.66) 58.79,59.57 57.7,60.66 arc(57.33,60.81) 56.97,60.66 56.89,60.58 arc(56.69,60.5) 56.48,60.58 56.34,60.73 arc(56.26,60.93) 56.34,61.13 57.07,61.86 arc(57.22,62.22) 57.07,62.58 56.93,62.72 arc(56.56,62.87) 56.2,62.72 55.48,62 arc(55.27,61.91) 55.07,62 54.93,62.14 arc(54.84,62.34) 54.93,62.55 55.65,63.27 arc(55.8,63.63) 55.65,64 55.51,64.14 arc(55.15,64.29) 54.79,64.14 54.06,63.41 arc(53.86,63.33) 53.66,63.41 53.51,63.55 arc(53.43,63.76) 53.51,63.96 54.24,64.69 arc(54.39,65.05) 54.24,65.41 54.1,65.55 arc(53.74,65.7) 53.37,65.55 52.65,64.83 arc(52.44,64.74) 52.24,64.83 52.1,64.97 arc(52.02,65.17) 52.1,65.38 52.82,66.1 arc(52.97,66.46) 52.82,66.82 52.68,66.97 arc(52.32,67.12) 51.96,66.97 51.88,66.89 arc(51.68,66.8) 51.47,66.89 51.41,66.95 50.16,66.95 arc(49.96,67.04) 49.87,67.24 49.87,67.35 arc(49.72,67.71) 49.36,67.86 49.16,67.86 arc(48.8,67.71) 48.65,67.35 48.65,67.24 arc(48.56,67.04) 48.36,66.95 46.8,66.95 46.41,67.34 46.41,67.39 46.5,67.47 46.5,68
  Bottom w0.115: 62.48,60.89 v1(62.33,61.04) 62.52,60.85 62.52,58.39 63.01,57.9 arc(63.1,57.69) 63.01,57.49 62.94,57.41 arc(62.79,57.05) 62.94,56.69 63.08,56.54 arc(63.44,56.39) 63.8,56.54 63.88,56.62 arc(64.08,56.71) 64.29,56.62 64.35,56.56 65.82,56.56 arc(66.18,56.71) 66.33,57.07 66.33,57.18 arc(66.41,57.39) 66.62,57.47 66.82,57.47 arc(67.02,57.39) 67.1,57.18 67.1,56.16 arc(67.25,55.8) 67.62,55.65 67.82,55.65 arc(68.18,55.8) 68.33,56.16 68.33,56.27 arc(68.41,56.47) 68.62,56.56 70.85,56.56 70.87,56.54 v1(70.87,56.28)
MIPI_CLK_N: length 52.6
  Top w0.1: J11.15 71.61,54.76 v1(71.51,54.66)
  Top w0.115: 44.9,64.92 44.9,64.39 44.99,64.31 44.99,61.58 45.13,61.44 arc(45.49,61.29) 45.86,61.44 45.94,61.52 arc(46.14,61.6) 46.34,61.52 46.48,61.38 arc(46.57,61.17) 46.48,60.97 45.76,60.25 arc(45.61,59.88) 45.76,59.52 45.9,59.38 arc(46.26,59.23) 46.63,59.38 47.35,60.1 arc(47.55,60.19) 47.76,60.1 47.9,59.96 arc(47.98,59.76) 47.9,59.56 47.17,58.83 arc(47.02,58.47) 47.17,58.11 47.32,57.96 arc(47.68,57.81) 48.04,57.96 48.77,58.69 arc(48.97,58.77) 49.17,58.69 49.31,58.55 arc(49.4,58.35) 49.31,58.14 48.59,57.42 arc(48.44,57.05) 48.59,56.69 48.73,56.55 arc(49.09,56.4) 49.45,56.55 50.18,57.28 arc(50.38,57.36) 50.59,57.28 50.73,57.13 arc(50.81,56.93) 50.73,56.73 50.65,56.65 arc(50.5,56.29) 50.65,55.92 51.29,55.29 51.38,55.29 arc(51.74,55.44) 51.89,55.8 51.89,55.91 arc(51.98,56.11) 52.18,56.2 52.38,56.2 arc(52.58,56.11) 52.67,55.91 52.67,54.89 arc(52.82,54.52) 53.18,54.37 53.38,54.37 arc(53.74,54.52) 53.89,54.89 53.89,55.73 arc(53.96,55.88) 54.11,55.95 54.45,55.95 arc(54.6,55.88) 54.67,55.73 54.67,54.89 arc(54.82,54.52) 55.18,54.37 55.38,54.37 arc(55.74,54.52) 55.89,54.89 55.89,55.73 arc(55.96,55.88) 56.11,55.95 56.45,55.95 arc(56.6,55.88) 56.67,55.73 arc(56.8,55.41) 57.11,55.29 61.3,55.29 62.18,54.4 62.18,53.56 v1(61.99,53.37)
  Bottom w0.115: v1(71.51,54.66) 70.77,54.66 70.75,54.65 70.33,54.65 70.31,54.66 69.52,54.66 69.5,54.65 62.75,54.65 62.18,54.08 62.18,53.56 v1(61.99,53.37)
MIPI_CLK_P: length 51.9
  Top w0.1: v1(71.08,54.18) 70.8,54.46 J11.16
  Top w0.115: v1(62.6,53.37) 62.41,53.56 62.41,54.49 61.39,55.51 57.11,55.51 arc(56.96,55.57) 56.89,55.73 arc(56.76,56.04) 56.45,56.17 56.11,56.17 arc(55.8,56.04) 55.67,55.73 55.67,54.89 arc(55.58,54.68) 55.38,54.6 55.18,54.6 arc(54.98,54.68) 54.89,54.89 54.89,55.73 arc(54.76,56.04) 54.45,56.17 54.11,56.17 arc(53.8,56.04) 53.67,55.73 53.67,54.89 arc(53.58,54.68) 53.38,54.6 53.18,54.6 arc(52.98,54.68) 52.89,54.89 52.89,55.91 arc(52.74,56.27) 52.38,56.42 52.18,56.42 arc(51.82,56.27) 51.67,55.91 51.67,55.8 arc(51.58,55.59) 51.38,55.51 50.81,56.08 arc(50.72,56.29) 50.81,56.49 50.89,56.57 arc(51.04,56.93) 50.89,57.29 50.74,57.43 arc(50.38,57.58) 50.02,57.43 49.3,56.71 arc(49.09,56.63) 48.89,56.71 48.75,56.85 arc(48.66,57.05) 48.75,57.26 49.47,57.98 arc(49.62,58.35) 49.47,58.71 49.33,58.85 arc(48.97,59) 48.61,58.85 47.88,58.12 arc(47.68,58.04) 47.47,58.12 47.33,58.27 arc(47.25,58.47) 47.33,58.67 48.06,59.4 arc(48.21,59.76) 48.06,60.12 47.92,60.26 arc(47.55,60.41) 47.19,60.26 46.47,59.54 arc(46.26,59.45) 46.06,59.54 45.92,59.68 arc(45.83,59.88) 45.92,60.09 46.64,60.81 arc(46.79,61.17) 46.64,61.54 46.5,61.68 arc(46.14,61.83) 45.78,61.68 45.7,61.6 arc(45.49,61.51) 45.29,61.6 45.21,61.68 45.21,64.31 45.3,64.39 45.3,64.92
  Bottom w0.115: v1(71.08,54.18) 70.84,54.42 70.24,54.42 70.22,54.44 69.61,54.44 69.6,54.43 69.58,54.43 62.85,54.43 62.41,53.99 62.41,53.56 v1(62.6,53.37)
PE_CLK_N: length 3.7
  Top w0.115: U9.22 29.68,70.99 29.6,70.9 29.6,68.56 29.6,68.55 29.6,68.34 29.69,68.25 U1.112
PE_CLK_nREQ: length 9.3
  Top w0.1: v1(32.61,68.81) 32.88,69.09 U9.30 ; U1.102 27.69,67.54 v1(27.92,67.3)
  Bottom w0.1: v1(27.92,67.3) 31.61,67.3 32.61,68.3 v1(32.61,68.81)
PE_CLK_P: length 3.7
  Top w0.115: U1.110 29.29,68.25 29.38,68.34 29.38,68.47 29.37,68.47 29.37,70.9 29.28,70.99 U9.21
